# KiCad board Z3660_v021a.kicad_pcb (continued)
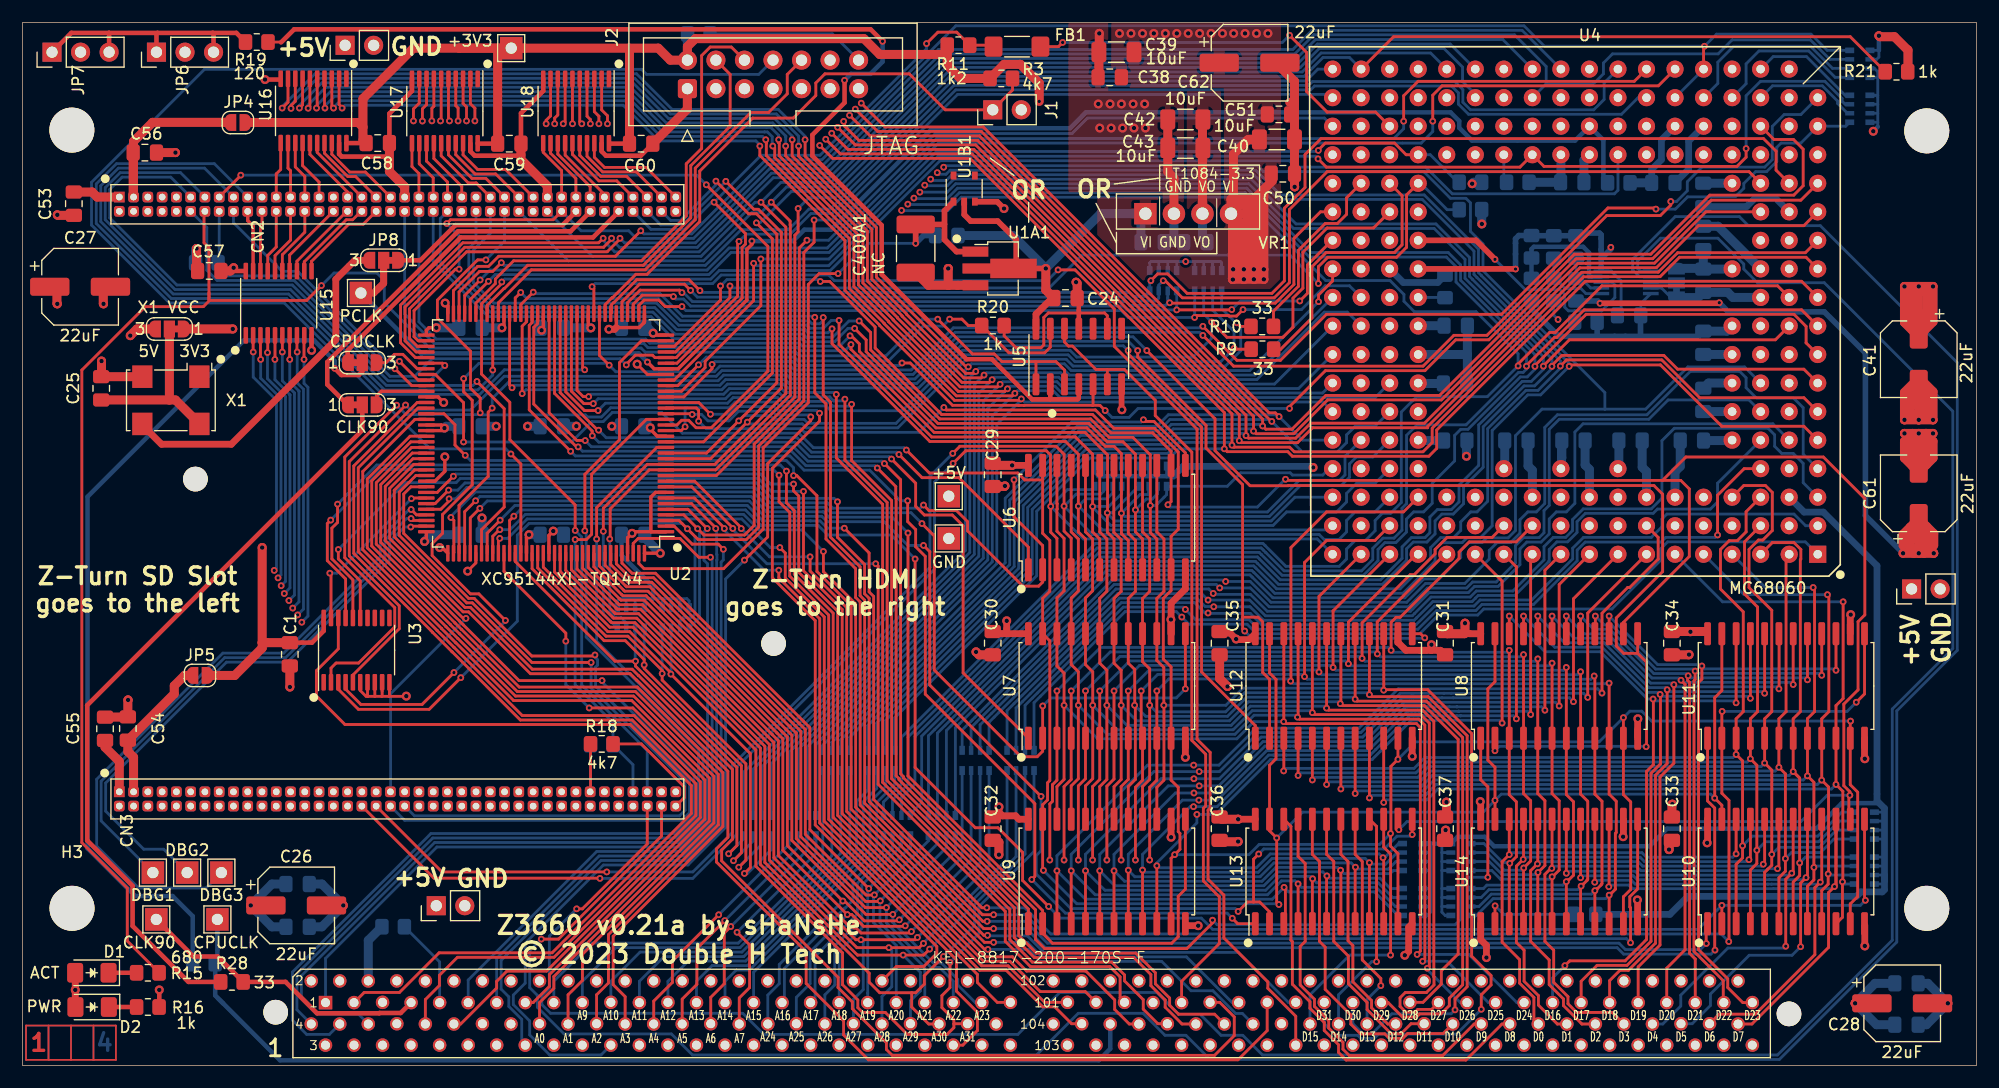
[diagram p0: board, top side]
## Routing (per net, layer and track width the routed paths; a pad name or vN(x,y) marks a point on that pad's centre or on a via; arc(x,y) is an arc through that point) (continued)
GNDA: length 8.6
  Bottom w0.5: NT1.1 140.51,73.94 140.36,74.09 138.51,74.09 R25.1 R23.1 134.33,73.86 R24.1 133.18,73.87 132.89,73.58 NT3.1
040A0: length 41.5
  Top w0.25: U2.121 43.86,44.87 52.74,35.99 v2(54.57,35.99) 54.57,35.55 63.59,26.52 63.59,19.58 v2(62.85,18.85)
  Bottom w0.25: v2(54.57,35.99) 54.54,36.02 RN22.6 ; v2(62.85,18.85) 64.24,20.23 RN10.4
040A1: length 42.7
  Top w0.25: v2(63.28,18.23) 63.99,18.94 63.99,26.69 55.34,35.34 v2(55.34,35.65) 55.34,36.14 53.66,37.81 51.77,37.81 45.36,44.23 U2.124
  Bottom w0.25: v2(63.28,18.23) 65.04,19.98 RN10.3 ; RN22.5 v2(55.34,35.65)
040A2: length 44.8
  Top w0.25: v2(63.76,17.65) 64.39,18.28 64.39,26.85 56.94,34.31 v2(56.94,34.88) 56.94,35.16 53.89,38.21 51.93,38.21 45.86,44.29 U2.125
  Bottom w0.25: RN21.8 v2(56.94,34.88) ; RN10.2 65.84,19.73 v2(63.76,17.65)
040A3: length 46.1
  Top w0.25: U2.126 46.36,44.36 52.1,38.61 54.05,38.61 57.72,34.95 v2(57.72,34.83) 64.79,27.76 64.79,17.62 v2(64.26,17.09)
  Bottom w0.25: RN21.7 57.74,34.86 v2(57.72,34.83) ; v2(64.26,17.09) 64.53,17.09 66.64,19.21 RN10.1
040A4: length 21.8
  Top w0.25: v2(61.97,13.42) 57.85,9.29 57.85,7.39 56.19,5.73 56.19,3.7 CN1.52
  Bottom w0.25: v2(61.97,13.42) 68.24,19.68 RN9.4
040A5: length 21
  Top w0.25: CN1.56 58.72,5.91 60.03,7.22 60.03,10.42 v2(62.51,12.9)
  Bottom w0.25: RN9.3 69.04,19.42 v2(62.51,12.9)
040A6: length 20.3
  Top w0.25: v2(63.04,12.37) 62.47,11.79 62.47,7.28 61.26,6.07 CN1.60
  Bottom w0.25: v2(63.04,12.37) 69.84,19.16 RN9.2
040A7: length 20.5
  Top w0.25: CN1.64 63.8,6.02 64.72,6.93 64.72,10.74 v2(63.6,11.86)
  Bottom w0.25: RN9.1 70.64,18.9 v2(63.6,11.86)
040A8: length 38.2
  Bottom w0.25: RN8.4 71.24,18.43 63.71,10.9 50.69,10.9 47.3,7.5 47.3,5.61 CN1.33
040A9: length 36.3
  Bottom w0.25: RN8.3 72.04,18.66 63.87,10.5 52.83,10.5 49.83,7.5 CN1.37
040A10: length 34.4
  Bottom w0.25: RN8.2 72.84,18.9 64.04,10.1 54.97,10.1 52.37,7.5 CN1.41
040A11: length 32.6
  Bottom w0.25: RN8.1 73.64,19.13 64.2,9.7 57.11,9.7 54.91,7.5 CN1.45
040A12: length 31
  Bottom w0.25: CN1.49 57.45,7.5 59.25,9.3 64.37,9.3 74.24,19.16 74.24,23.51 75.24,24.51 RN7.4
040A13: length 29.1
  Bottom w0.25: CN1.53 59.99,7.5 61.39,8.9 64.53,8.9 74.84,19.2 74.84,23.47 76.04,24.67 RN7.3
040A14: length 27.3
  Bottom w0.25: RN7.2 76.84,24.86 75.44,23.46 75.44,19.23 64.7,8.5 63.53,8.5 62.53,7.5 CN1.57
040A15: length 25.9
  Bottom w0.25: RN7.1 77.64,25.02 76.04,23.42 76.04,19.27 65.08,8.31 65.08,5.6
040A16: length 18.6
  Bottom w0.25: CN1.65 67.82,5.81 67.82,8.64 73.18,14.01 73.21,14.01 73.91,14.71 73.91,16.4 76.64,19.12 RN6.4
040A17: length 17.9
  Bottom w0.25: RN6.3 77.44,19.35 74.31,16.23 74.31,13.48 70.55,9.71 70.55,6 CN1.69
040A18: length 17.2
  Bottom w0.25: RN6.2 78.24,19.59 74.71,16.07 74.71,12.2 72.7,10.19 72.7,5.61 CN1.73
040A19: length 56.6
  Top w0.25: U2.140 53.36,44.72 54.26,43.82 56.34,43.81 70.08,30.07 70.08,21 v2(75.33,15.75)
  Bottom w0.25: RN6.1 79.04,19.47 75.33,15.76 v2(75.33,15.75) 75.24,15.66 75.24,6.45 75.23,6.45 CN1.77
040A20: length 59.3
  Top w0.25: v2(75.82,15.19) 75.81,15.17 75.09,15.17 69.68,20.58 69.68,29.91 69.15,30.43 56.17,43.41 54.1,43.42 54,43.52 52.86,44.65 U2.139
  Bottom w0.25: CN1.81 77.78,5.61 77.78,10.69 75.74,12.73 75.74,15.11 v2(75.82,15.19) 80.64,20 RN5.4
040A21: length 61.6
  Top w0.25: U2.138 52.36,44.59 53.93,43.02 56.01,43.01 69.28,29.74 69.28,20.37 75.05,14.61 76.3,14.61 v2(76.35,14.66)
  Bottom w0.25: CN1.85 80.32,5.61 80.32,8.72 76.32,12.71 76.32,14.62 v2(76.35,14.66) 81.44,19.74 RN5.3
040A22: length 64.2
  Top w0.25: U2.137 51.86,44.52 53.77,42.62 55.84,42.61 68.88,29.58 68.88,20.21 75.03,14.06 v2(76.89,14.06)
  Bottom w0.25: RN5.2 82.24,19.4 v2(76.89,14.06) 76.89,12.7 80.87,8.73 81.62,8.73 82.85,7.5 82.85,5.61 CN1.89
040A23: length 66.8
  Top w0.25: v2(77.47,13.45) 75.07,13.45 68.48,20.04 68.48,29.41 67.95,29.94 55.67,42.21 53.6,42.22 53.5,42.32 51.36,44.46 U2.136
  Bottom w0.25: CN1.93 84.81,5.6 83.25,7.17 83.25,7.67 81.78,9.13 81.06,9.13 77.47,12.73 v2(77.47,13.45) 83.04,19.02 RN5.1
040A24: length 76.5
  Top w0.25: U2.135 50.86,44.39 53.43,41.82 55.51,41.81 68.08,29.25 68.08,19.58 v2(73.02,14.64) 73.17,14.64 74.94,12.88 77.95,12.88 v2(78.05,12.97)
  Bottom w0.25: CN1.68 66.34,6.27 67.36,7.29 67.36,8.99 v2(73.02,14.64) ; v2(78.05,12.97) 83.64,18.56 RN4.4
040A25: length 76.4
  Top w0.25: v2(78.57,12.43) 78.53,12.39 74.86,12.39 73.82,13.43 v2(73.42,13.43) 73.41,13.43 67.68,19.17 67.68,29.08 67.15,29.61 55.34,41.41 53.27,41.42 53.17,41.52 50.36,44.32 U2.134
  Bottom w0.25: CN1.72 68.88,6.07 70.1,7.29 70.1,10.11 v2(73.42,13.43) ; v2(78.57,12.43) 84.44,18.3 RN4.3
040A26: length 76.7
  Top w0.25: v2(79.13,11.93) 78.99,11.79 74.64,11.79 v2(74.04,12.39) 73.58,12.39 67.28,18.7 67.28,28.91 66.75,29.44 55.18,41.01 53.1,41.01 53,41.12 49.86,44.26 U2.133
  Bottom w0.25: RN4.2 85.24,18.04 v2(79.13,11.93) ; CN1.76 71.42,6.29 72.3,7.17 72.3,10.65 v2(74.04,12.39)
040A27: length 76.9
  Top w0.25: v2(79.66,11.4) 79.46,11.2 v2(74.63,11.2) 74.17,11.2 66.88,18.49 66.88,28.75 66.35,29.28 55.01,40.61 52.94,40.61 52.84,40.72 49.36,44.19 U2.132
  Bottom w0.25: RN4.1 86.04,17.78 v2(79.66,11.4) ; CN1.80 73.96,5.89 74.84,6.76 74.84,10.99 v2(74.63,11.2)
040A28: length 78.7
  Top w0.25: U2.131 48.86,44.13 52.77,40.21 54.85,40.21 66.48,28.58 66.48,18.28 74.27,10.49 v2(77.11,10.49) 79.81,10.49 v2(80.19,10.87)
  Bottom w0.25: v2(80.19,10.87) 80.19,10.91 87.64,18.36 RN3.4 ; v2(77.11,10.49) 77.38,10.23 77.38,7.02 76.5,6.14 CN1.84
040A29: length 80.6
  Top w0.25: U2.130 48.36,44.06 52.61,39.81 54.68,39.81 66.08,28.42 66.08,18.07 74.32,9.83 v2(78.38,9.83) 80.21,9.83 v2(80.75,10.36)
  Bottom w0.25: RN3.3 88.44,18.59 84.34,14.49 84.34,13.95 v2(80.75,10.36) ; CN1.88 79.04,5.77 79.92,6.64 79.92,8.3 v2(78.38,9.83)
040A30: length 83.5
  Top w0.25: 79.15,6.48 79.15,5.21 80.66,3.7 CN1.92 ; 79.15,6.48 76.3,6.48 75.36,7.42 75.36,8.22 65.68,17.9 65.68,28.25 54.51,39.41 52.44,39.41 52.34,39.52 52.33,39.52 47.86,43.99 U2.129 ; 79.15,6.48 79.51,6.48 80.26,7.24 80.26,7.99 v2(81.98,9.71)
  Bottom w0.25: v2(81.98,9.71) 84.74,12.47 84.74,14.32 89.24,18.82 RN3.2
040A31: length 90.6
  Top w0.25: U2.128 47.36,43.92 52.27,39.01 54.35,39.01 65.28,28.09 65.28,17.74 72.99,10.02 72.99,7.2 74.36,5.83 74.36,5.15 74.78,4.73 76.8,4.73 78.76,2.77 82.3,2.77 82.9,3.37 82.9,3.71 ; 82.9,3.71 82.9,4.09 81.84,5.16 81.84,6.22 82.55,6.94 v2(82.55,9.17) ; 82.9,3.71 82.91,3.72 CN1.96
  Bottom w0.25: RN3.1 90.04,19.06 85.14,14.16 85.14,11.76 v2(82.55,9.17)
060A0: length 165.4
  Top w0.25: v2(84.19,62.18) 83.99,62.18 76,70.17 76,74.59 69.66,80.94 v2(69.66,82.4) ; v2(115.36,67.99) 115.36,68.58 116.61,69.83 U4.102 ; U16.9 23.63,85.74 v2(23.11,85.22)
  Bottom w0.25: v2(23.11,85.22) 23.11,85.34 26.04,88.27 54.66,88.27 57.83,85.09 67.27,85.09 69.66,82.71 v2(69.66,82.4) ; v2(115.36,67.99) 109.23,61.86 93.34,61.86 92.74,62.46 84.46,62.46 v2(84.19,62.18) 83.92,61.92 83.92,45.83 64.24,26.15 RN10.5
060A1: length 162.4
  Top w0.25: v2(84.85,61.78) 84.68,61.61 83.95,61.61 78.7,66.86 78.7,66.89 75.6,69.99 75.6,74.43 69.08,80.95 v2(69.08,81.84) ; v2(23.9,85.19) 23.9,85.44 24.28,85.82 U16.8
  Bottom w0.25: RN10.6 65.04,26.38 84.32,45.67 84.32,61.25 v2(84.85,61.78) 85.13,62.06 92.57,62.06 93.18,61.46 109.7,61.46 U4.96 ; v2(23.9,85.19) 23.9,85.52 26.25,87.87 54.49,87.87 57.67,84.69 67.1,84.69 69.08,82.72 69.08,82.16 69.11,82.14 69.11,81.86 v2(69.08,81.84)
060A2: length 163.7
  Top w0.25: v2(85.59,61.45) 85.34,61.2 83.78,61.2 78.3,66.69 78.3,66.73 75.2,69.82 75.2,74.26 68.51,80.96 v2(68.51,82.4) ; v2(24.65,85.22) 24.93,85.5 U16.7
  Bottom w0.25: v2(68.51,82.4) 68.51,82.73 66.94,84.29 57.5,84.29 54.33,87.47 26.66,87.47 24.65,85.46 v2(24.65,85.22) ; U4.89 117.92,67.06 115.87,67.06 109.87,61.06 93.01,61.06 92.41,61.66 85.79,61.66 v2(85.59,61.45) 84.72,60.59 84.72,45.5 65.84,26.62 RN10.7
060A3: length 158.9
  Top w0.25: v2(25.42,85.2) 25.58,85.36 U16.6 ; v2(67.93,81.84) 67.93,80.97 69.73,79.17 74.8,74.09 74.8,69.65 77.9,66.56 77.9,66.53 83.62,60.8 86.07,60.8 v2(86.3,61.04)
  Bottom w0.25: U4.90 111.44,60.66 92.85,60.66 92.24,61.26 86.52,61.26 v2(86.3,61.04) 85.12,59.86 85.12,45.34 66.64,26.85 RN10.8 ; v2(25.42,85.2) 25.42,85.5 27,87.07 54.13,87.07 57.3,83.89 66.77,83.89 67.94,82.72 67.94,82.65 67.93,82.64 v2(67.93,81.84)
060A4: length 156.2
  Top w0.25: v2(67.31,82.4) 67.31,82.12 67.36,82.07 67.36,80.97 69.55,78.78 69.66,78.67 74.4,73.93 74.4,69.49 77.5,66.4 77.5,66.36 83.45,60.4 86.79,60.4 v2(87.02,60.63) ; v2(26.17,85.22) 26.23,85.28 U16.5
  Bottom w0.25: RN9.5 68.24,27.88 85.52,45.17 85.52,59.14 v2(87.02,60.63) 87.24,60.86 92.08,60.86 92.68,60.26 113.58,60.26 U4.84 ; v2(67.31,82.4) 67.31,82.79 66.61,83.49 66.22,83.49 66.22,83.49 57.14,83.49 53.96,86.67 27.4,86.67 26.17,85.44 v2(26.17,85.22)
060A5: length 153.8
  Top w0.25: v2(87.67,60.23) 87.45,60 83.29,60 77.1,66.2 77.1,66.23 74,69.32 74,73.76 69.26,78.5 66.96,80.81 66.96,81.66 v2(66.78,81.84) ; 26.88,87.83 26.88,85.26 v2(26.92,85.22)
  Bottom w0.25: v2(66.78,81.84) 66.74,81.88 66.74,82.66 66.3,83.09 66.06,83.09 66.05,83.1 56.97,83.1 53.8,86.27 27.78,86.27 26.92,85.42 v2(26.92,85.22) ; U4.78 115.72,59.86 92.52,59.86 91.91,60.46 87.9,60.46 v2(87.67,60.23) 85.92,58.48 85.92,45 69.04,28.12 RN9.6
060A6: length 157.5
  Top w0.25: U16.3 27.53,85.37 v2(27.69,85.22) ; v2(88.33,59.83) 88.1,59.6 83.12,59.6 76.7,66.03 76.7,66.07 73.6,69.16 73.6,73.6 69.33,77.87 66.21,80.99 66.21,82.07 66.22,82.09 66.22,82.34 v2(66.16,82.4)
  Bottom w0.25: RN9.7 69.84,28.35 86.32,44.84 86.32,57.82 v2(88.33,59.83) 88.56,60.06 91.75,60.06 92.35,59.46 120.4,59.46 U4.76 ; v2(66.16,82.4) 65.87,82.7 56.81,82.7 53.63,85.87 28.29,85.87 27.69,85.27 v2(27.69,85.22)
060A7: length 150.2
  Top w0.25: v2(65.63,81.84) 65.63,81 68.46,78.17 73.2,73.43 73.2,68.99 76.3,65.9 76.3,65.87 82.96,59.2 88.78,59.2 v2(88.91,59.33) ; v2(28.45,85.22) 28.45,85.27 28.18,85.53 U16.2
  Bottom w0.25: U4.72 115.76,59.06 89.18,59.06 v2(88.91,59.33) 88.91,59.25 86.72,57.07 86.72,44.67 70.64,28.59 RN9.8 ; v2(65.63,81.84) 65.63,81.94 65.28,82.3 56.64,82.3 53.47,85.47 28.7,85.47 v2(28.45,85.22)
060A8: length 156.8
  Top w0.25: U17.9 35.32,85.66 34.8,85.14 v2(34.8,84.07) ; v2(74.66,85.66) 76.77,83.54 85.51,83.54 110.96,58.09 111.51,58.09 v2(111.85,57.76)
  In2.Cu w0.25: v2(34.8,84.07) 37.98,87.25 53.59,87.25 55.06,85.78 74.54,85.78 v2(74.66,85.66)
  Bottom w0.25: RN8.5 71.24,28.51 87.47,44.75 87.47,50.49 93.86,56.88 100.95,56.88 101.99,57.92 111.68,57.92 v2(111.85,57.76) 113.94,55.66 U4.66
060A9: length 161.6
  Top w0.25: v2(74.13,85.13) 76.11,83.14 85.34,83.14 111.15,57.33 v2(111.2,57.33) ; v2(35.6,84.06) 35.6,85.15 35.97,85.52 U17.8
  In2.Cu w0.25: v2(74.13,85.13) 73.88,85.38 54.9,85.38 53.42,86.85 38.39,86.85 v2(35.6,84.06)
  Bottom w0.25: U4.70 120.38,56.9 118.62,56.9 117.86,56.13 117.86,55.44 117.04,54.63 113.9,54.63 v2(111.2,57.33) 111.03,57.5 102.13,57.5 101.11,56.48 94.02,56.48 87.87,50.33 87.87,44.58 72.04,28.75 RN8.6
060A10: length 203.5
  Top w0.25: U4.115 158.29,77.02 150.31,77.02 145.1,71.81 139.18,71.81 139.01,71.81 139,71.8 138.29,71.8 126.13,59.64 116,59.64 113,56.64 110.67,56.64 v2(110.38,56.92) 110.38,57.53 85.18,82.74 75.45,82.74 v2(73.62,84.57) ; U17.7 36.62,85.38 36.44,85.2 v2(36.44,84.08)
  In2.Cu w0.25: v2(73.62,84.57) 73.22,84.98 54.73,84.98 53.26,86.45 39.21,86.45 39.21,86.45 38.77,86.45 36.44,84.12 v2(36.44,84.08)
  Bottom w0.25: RN8.7 72.84,28.98 88.27,44.42 88.27,50.16 94.19,56.08 101.28,56.08 102.26,57.06 110.24,57.06 v2(110.38,56.92)
060A11: length 195.9
  Top w0.25: 73.04,83.97 73.18,83.83 73.18,83.62 ; v2(37.21,84.07) 37.27,84.13 37.27,87.81 ; U4.111 149.84,75.98 145.26,71.41 139.18,71.41 139.16,71.4 138.45,71.4 126.29,59.24 116.17,59.24 113.16,56.24 109.8,56.24 v2(109.57,56.47) 109.57,57.78 85.01,82.34 74.45,82.34 73.18,83.62 ; 73.18,83.62 73.18,83.95 v2(73.09,84.04)
  In2.Cu w0.25: v2(73.09,84.04) 72.55,84.58 54.57,84.58 53.09,86.05 39.37,86.05 39.37,86.05 39.17,86.05 37.21,84.09 v2(37.21,84.07)
  Bottom w0.25: v2(109.57,56.47) 109.37,56.66 102.43,56.66 101.44,55.68 94.35,55.68 88.67,50 88.67,44.25 73.64,29.22 RN8.8
060A12: length 198.1
  Top w0.25: v2(38,84.07) 37.92,84.16 U17.5 ; U4.109 158.56,74.75 149.17,74.75 145.43,71.01 139.34,71.01 139.33,71 138.62,71 124.79,57.17 114.66,57.17 113.33,55.84 109.13,55.84 v2(108.9,56.06) 108.9,57.88 84.84,81.94 74.12,81.94 v2(72.56,83.51)
  In2.Cu w0.25: v2(72.56,83.51) 71.89,84.18 54.4,84.18 52.93,85.65 39.54,85.65 38,84.12 v2(38,84.07)
  Bottom w0.25: v2(108.9,56.06) 108.7,56.26 102.6,56.26 101.61,55.28 94.52,55.28 89.07,49.83 89.07,44.09 75.24,30.25 RN7.5
060A13: length 195.4
  Top w0.25: v2(38.77,84.07) 38.77,85.22 38.57,85.43 38.57,87.81 ; U4.103 158.69,72.34 147.32,72.34 145.6,70.61 139.51,70.61 139.5,70.6 138.79,70.6 125.08,56.89 125.08,56.77 114.83,56.77 113.5,55.44 108.48,55.44 v2(108.3,55.61) 108.3,57.91 84.68,81.54 73.46,81.54 v2(72.03,82.98)
  In2.Cu w0.25: v2(72.03,82.98) 71.23,83.78 54.24,83.78 52.76,85.25 39.72,85.25 38.77,84.31 v2(38.77,84.07)
  Bottom w0.25: v2(108.3,55.61) 108.05,55.86 102.76,55.86 101.77,54.88 94.68,54.88 89.47,49.66 89.47,43.92 76.04,30.49 RN7.6
060A14: length 194.3
  Top w0.25: U17.3 39.22,85.62 39.52,85.32 v2(39.52,84.07) ; v2(71.5,82.45) 72.8,81.14 84.51,81.14 107.66,58 v2(107.66,55.21) 107.83,55.04 112.79,55.04 113.2,54.63 124.66,54.63 125.48,55.44 125.48,56.73 138.95,70.2 139.68,70.2 139.69,70.21 145.76,70.21 147.49,71.94 158.75,71.94 U4.97
  In2.Cu w0.25: v2(39.52,84.07) 39.52,84.35 40.02,84.85 52.59,84.85 54.07,83.38 70.57,83.38 v2(71.5,82.45)
  Bottom w0.25: RN7.7 76.84,30.72 89.87,43.76 89.87,49.5 94.85,54.48 101.94,54.48 102.93,55.46 107.4,55.46 v2(107.66,55.21)
060A15: length 191.6
  Top w0.25: U4.91 158.35,69.8 139.12,69.8 125.88,56.56 125.88,54.93 125.18,54.23 113.03,54.23 112.62,54.64 107.23,54.64 v2(106.97,54.89) 106.97,58.11 84.35,80.74 72.11,80.74 v2(70.96,81.89) ; v2(40.27,84.07) 40.27,85.2 39.87,85.61 U17.2
  In2.Cu w0.25: v2(70.96,81.89) 70.96,82.03 70.01,82.98 53.9,82.98 52.43,84.45 40.65,84.45 v2(40.27,84.07)
  Bottom w0.25: RN7.8 77.64,30.96 90.27,43.59 90.27,49.33 95.02,54.08 102.11,54.08 102.92,54.89 v2(106.97,54.89)
060A16: length 212.9
  Top w0.25: U4.92 156.21,69.4 140.58,69.4 136.44,65.25 135.93,65.25 133.12,62.44 v2(133.12,62.27) ; U18.9 47,84.52 46.61,84.13 v2(46.61,83.82)
  In2.Cu w0.25: v2(46.61,83.82) 46.61,83.69 50.67,79.64 63.04,79.64 64.21,78.46 75.9,78.46 v2(78.25,76.11)
  Bottom w0.25: RN6.5 76.64,23.46 78.24,25.06 78.24,29.21 95.49,46.47 110.41,46.47 112.45,44.43 117.2,44.43 117.86,45.09 117.86,45.97 118.62,46.74 119.53,46.74 120.4,47.6 120.4,48.51 121.03,49.15 121.77,49.15 122.73,50.11 122.73,58.17 124.09,59.53 130.39,59.53 v2(133.12,62.27) 133.12,63.35 129.37,67.1 123.89,67.1 122.96,68.02 122.96,68.63 121.72,69.87 116,69.87 108.58,77.29 83.56,77.29 82.36,76.09 78.27,76.09 v2(78.25,76.11)
060A17: length 214.1
  Top w0.25: 47.65,87.81 47.65,84.61 47.37,84.33 v2(47.37,83.82) ; v2(133.87,62.24) 133.87,62.32 136.35,64.8 136.55,64.8 139.01,67.26 158.35,67.26 U4.85
  In2.Cu w0.25: v2(47.37,83.82) 47.37,83.69 51.03,80.04 63.2,80.04 64.38,78.86 76.61,78.86 78.8,76.67 v2(78.8,76.66)
  Bottom w0.25: RN6.6 77.44,23.66 78.84,25.06 78.84,29.25 95.66,46.07 110.25,46.07 112.29,44.03 119.19,44.03 120.19,45.03 120.19,46.03 121.1,46.94 122.08,46.94 122.78,47.65 122.78,49.6 123.19,50.01 123.19,56.09 124.13,57.03 128.49,57.03 133.16,61.69 133.57,61.69 133.87,61.99 v2(133.87,62.24) 133.87,63.46 127.6,69.74 127.6,71.1 126.74,71.96 114.54,71.96 108.82,77.69 83.39,77.69 82.34,76.63 78.84,76.63 v2(78.8,76.66)
060A18: length 213
  Top w0.25: U4.79 158.75,64.32 158.75,65.79 157.68,66.86 139.17,66.86 134.62,62.31 v2(134.62,62.23) ; v2(48.13,83.82) 48.3,83.99 U18.7
  In2.Cu w0.25: v2(48.13,83.82) 51.5,80.45 63.1,80.45 63.11,80.44 63.37,80.44 64.54,79.26 77.29,79.26 v2(79.34,77.21)
  Bottom w0.25: v2(79.34,77.21) 79.39,77.16 82.3,77.16 83.23,78.09 108.98,78.09 114.71,72.36 126.91,72.36 128,71.27 128,69.9 134.62,63.28 v2(134.62,62.23) 134.62,61.98 133.93,61.29 133.32,61.29 128.66,56.63 128.01,56.63 127.47,56.09 127.47,53.81 125.48,51.82 125.48,50.04 124.71,49.28 123.83,49.28 123.18,48.63 123.18,47.48 122.24,46.54 121.26,46.54 120.65,45.93 120.65,44.93 119.35,43.63 112.12,43.63 110.08,45.67 95.82,45.67 79.44,29.28 79.44,25.06 78.24,23.86 RN6.7
060A19: length 207.5
  Top w0.25: v2(48.96,83.82) 48.95,83.83 U18.6 ; U4.86 156.02,64.59 137.68,64.59 135.37,62.28 v2(135.37,62.24)
  In2.Cu w0.25: v2(79.87,77.74) 77.95,79.66 64.71,79.66 63.53,80.84 63.28,80.84 63.27,80.85 51.93,80.85 v2(48.96,83.82)
  Bottom w0.25: RN6.8 79.04,22.41 80.04,23.41 80.04,29.32 95.99,45.27 109.92,45.27 111.96,43.23 120.88,43.23 122.79,45.14 122.79,46.16 123.63,46.99 124.84,46.99 125.27,47.42 125.27,48.81 125.94,49.48 127.18,49.48 127.86,50.17 127.86,51.66 129.61,53.42 129.61,57.02 133.49,60.89 134.3,60.89 135.37,61.97 v2(135.37,62.24) 135.37,63.09 128.4,70.07 128.4,71.75 125.65,74.5 113.13,74.5 109.15,78.49 83.06,78.49 82.31,77.74 v2(79.87,77.74)
060A20: length 208.7
  Top w0.25: U4.73 158.56,61.98 147.32,61.98 146.09,63.2 137.02,63.2 136.13,62.32 v2(136.13,62.23) ; 49.6,87.81 49.6,84 v2(49.78,83.82)
  In2.Cu w0.25: v2(80.31,78.36) 78.61,80.06 64.87,80.06 63.67,81.26 52.22,81.26 49.78,83.69 v2(49.78,83.82)
  Bottom w0.25: RN5.5 80.64,29.35 96.16,44.87 109.75,44.87 111.79,42.83 121.05,42.83 123.19,44.98 123.19,45.99 123.79,46.59 125.01,46.59 125.73,47.31 125.73,48.47 126.34,49.08 127.35,49.08 128.26,50 128.26,51.5 130.01,53.25 130.01,56.85 133.65,60.49 134.59,60.49 136.13,62.03 v2(136.13,62.23) 136.13,62.9 129.05,69.98 129.05,69.99 128.8,70.24 128.8,71.92 125.81,74.9 113.36,74.9 109.38,78.89 82.9,78.89 82.32,78.31 80.36,78.31 v2(80.31,78.36)
060A21: length 209.3
  Top w0.25: v2(50.55,83.82) 50.55,84.2 50.25,84.5 U18.4 ; v2(136.88,62.26) 137.43,62.8 145.91,62.8 149.28,59.44 158.56,59.44 U4.67
  In2.Cu w0.25: v2(80.84,78.89) 79.27,80.46 65.04,80.46 63.84,81.66 52.65,81.66 50.55,83.76 v2(50.55,83.82)
  Bottom w0.25: v2(80.84,78.89) 80.96,78.77 82.21,78.77 82.73,79.29 109.6,79.29 111.79,77.09 124.59,77.09 129.2,72.48 129.2,70.41 129.45,70.15 129.45,70.14 136.88,62.71 v2(136.88,62.26) 136.88,62.08 134.89,60.09 133.82,60.09 130.41,56.69 130.41,50.22 129.47,49.28 128.91,49.28 128.02,48.39 128.02,47.62 127.38,46.99 126.23,46.99 125.33,46.1 125.33,45.14 122.62,42.43 111.63,42.43 109.59,44.47 96.32,44.47 81.44,29.58 RN5.6
060A22: length 210
  Top w0.25: U18.3 50.9,84.9 51.31,84.49 v2(51.31,83.82) ; v2(137.67,62.23) 137.8,62.36 145.8,62.36 151.26,56.9 158.56,56.9 U4.61
  In2.Cu w0.25: 51.31,83.67 v2(51.31,83.82) 51.31,83.69 52.93,82.07 63.99,82.07 65.21,80.86 80.03,80.86 v2(81.42,79.47)
  Bottom w0.25: RN5.7 82.24,29.82 96.49,44.07 109.42,44.07 111.46,42.03 122.88,42.03 125.73,44.89 125.73,45.93 126.34,46.54 128.14,46.54 128.57,46.96 129.75,46.96 130.81,48.03 130.81,56.52 133.99,59.69 135.13,59.69 v2(137.67,62.23) 137.67,62.49 129.85,70.31 129.85,70.32 129.6,70.57 129.6,72.66 124.77,77.49 111.96,77.49 109.76,79.69 82.57,79.69 82.2,79.32 81.57,79.32 v2(81.42,79.47)
060A23: length 207.7
  Top w0.25: v2(52.07,83.82) 52.07,84.53 51.55,85.05 U18.2
  In2.Cu w0.25: v2(52.07,83.82) 53.42,82.47 64.16,82.47 65.37,81.26 80.69,81.26 v2(81.99,79.95)
  Bottom w0.25: v2(81.99,79.95) 82.12,80.09 109.93,80.09 110.45,79.56 124.72,79.56 127.1,77.19 128.48,77.19 128.88,76.78 128.88,74.24 130,73.13 130,70.74 140.84,59.89 140.84,58.42 140.84,58.42 ; RN5.8 83.04,30.05 96.65,43.67 109.26,43.67 111.29,41.63 123.04,41.63 124.72,43.31 126.09,43.31 128.02,45.23 128.02,45.85 128.73,46.56 129.91,46.56 130.31,46.96 132.24,46.96 132.89,47.61 132.89,56.06 135.25,58.42 140.84,58.42 ; 140.84,58.42 144.48,58.42 148.23,62.18 153.27,62.18 U4.75
060A24: length 211.4
  Top w0.25: U15.2 20.53,63.52 v2(20.54,63.51)
  In2.Cu w0.25: v2(22.41,44.07) 23.38,44.07 24.2,43.25 106.93,43.25 v2(107.09,43.08)
  Bottom w0.25: v2(20.54,63.51) 20.54,61.27 22.61,59.21 22.61,44.27 v2(22.41,44.07) ; RN4.5 83.64,29.85 97,43.21 106.96,43.21 v2(107.09,43.08) 109.27,43.08 111.13,41.23 123.21,41.23 124.88,42.91 128.38,42.91 130.56,45.09 130.56,45.85 131.27,46.56 132.47,46.56 133.29,47.38 133.29,48.58 133.99,49.28 134.75,49.28 135.49,50.02 135.49,56.8 136.62,57.92 144.59,57.92 148.45,61.78 152.85,61.78 153.42,61.21 153.42,60.33 154.32,59.42 157.62,59.42 158.5,58.55 158.5,54.42 U4.55
060A25: length 199.1
  Top w0.25: v2(21.2,62.85) 21.18,62.87 U15.3
  In2.Cu w0.25: v2(106.56,42.51) 106.22,42.85 24.03,42.85 23.48,43.4 v2(22.75,43.4)
  Bottom w0.25: U4.69 153.67,59.24 146.48,59.24 144.75,57.52 136.78,57.52 135.89,56.63 135.89,49.86 135.43,49.39 135.43,47.42 135,46.99 133.6,46.99 132.89,46.27 132.89,44.75 131.17,43.04 129.07,43.04 128.53,42.49 125.04,42.49 123.37,40.83 110.96,40.83 109.28,42.51 v2(106.56,42.51) 106.26,42.81 97.16,42.81 84.44,30.09 RN4.6 ; v2(22.75,43.4) 23.01,43.66 23.01,59.32 23.01,59.32 23.01,59.37 21.2,61.18 v2(21.2,62.85)
060A26: length 199.3
  Top w0.25: U15.4 21.83,63.48 v2(21.81,63.46)
  In2.Cu w0.25: v2(105.99,42.02) 105.56,42.45 23.87,42.45 23.61,42.7 v2(23.02,42.7)
  Bottom w0.25: U4.62 155.8,57.12 138.91,57.12 138.18,56.39 138.18,50.04 137.41,49.28 136.52,49.28 135.89,48.65 135.89,47.32 135.17,46.59 133.9,46.59 133.29,45.98 133.29,44.58 131.34,42.64 129.24,42.64 128.7,42.09 125.2,42.09 123.54,40.43 110.8,40.43 109.29,41.93 106.07,41.93 v2(105.99,42.02) 105.6,42.41 97.32,42.41 85.24,30.32 RN4.7 ; v2(21.81,63.46) 21.81,61.14 23.41,59.54 23.41,59.51 23.41,59.51 23.41,43.09 v2(23.02,42.7)
060A27: length 203.4
  Top w0.25: U15.5 22.48,62.86 v2(22.47,62.85)
  In2.Cu w0.25: v2(23.3,42.01) 23.34,41.97 25.12,41.97 25.19,42.05 104.91,42.05 v2(105.53,41.43)
  Bottom w0.25: U4.37 158.5,51.88 158.5,53.6 157.61,54.48 156.59,54.48 155.96,55.12 155.96,56.13 155.37,56.72 147.02,56.72 145.92,55.62 145.92,50.49 144.98,49.55 138.92,49.55 137.97,48.59 137.97,47.61 137.36,47.01 136.25,47.01 135.43,46.18 135.43,45 132.66,42.24 129.4,42.24 128.86,41.69 125.37,41.69 123.7,40.03 110.63,40.03 109.23,41.43 v2(105.53,41.43) 104.96,42 97.48,42 86.04,30.56 RN4.8 ; v2(23.3,42.01) 23.81,42.52 23.81,59.67 23.81,59.68 23.81,59.7 22.47,61.04 v2(22.47,62.85)
060A28: length 191.4
  Top w0.25: U15.6 v2(23.13,63.51)
  In2.Cu w0.25: v2(23.71,41.38) 23.9,41.57 25.28,41.57 25.36,41.65 104.48,41.65 105.27,40.85 106.01,40.85 v2(106.03,40.83)
  Bottom w0.25: U4.63 150.88,51.83 150.88,50.17 150.24,49.53 145.53,49.53 145.15,49.15 139.11,49.15 138.37,48.41 138.37,47.45 137.53,46.61 136.57,46.61 135.89,45.93 135.89,44.91 135.83,44.84 135.83,44.84 132.83,41.84 129.57,41.84 129.03,41.29 125.53,41.29 123.87,39.63 110.47,39.63 109.26,40.83 v2(106.03,40.83) 106.01,40.85 105.27,40.85 104.53,41.6 97.64,41.6 87.64,31.59 RN3.5 ; v2(23.71,41.38) 24.21,41.88 24.21,59.84 24.21,59.84 24.21,59.87 23.13,60.95 v2(23.13,63.51)
060A29: length 192.2
  Top w0.25: v2(23.79,62.85) 23.78,62.86 U15.7
  In2.Cu w0.25: v2(105.53,40.28) 105.2,40.28 104.23,41.25 25.52,41.25 25.45,41.17 24.51,41.17 v2(24.05,40.71)
  Bottom w0.25: v2(23.79,62.85) 23.79,60.85 24.61,60.04 24.61,60.01 24.61,60.01 24.61,41.27 v2(24.05,40.71) ; RN3.6 88.44,31.82 97.81,41.2 104.33,41.2 105.25,40.28 v2(105.53,40.28) 105.56,40.24 109.29,40.24 110.3,39.23 124.04,39.23 125.7,40.89 129.19,40.89 129.74,41.44 134.33,41.44 137.98,45.09 137.98,46.04 138.94,47.01 144.98,47.01 145.92,47.95 145.92,48.64 146.36,49.08 157.68,49.08 158.72,48.04 U4.19
060A30: length 187.2
  Top w0.25: v2(24.45,63.51) 24.43,63.53 U15.8 ; v2(150.88,47.22) 150.88,50.75 153.25,53.12 U4.57
  In2.Cu w0.25: v2(24.49,40.11) 25.16,40.77 25.61,40.77 25.69,40.85 103.25,40.85 v2(103.51,40.6)
  Bottom w0.25: v2(24.45,63.51) 24.45,60.76 25.01,60.2 25.01,40.62 v2(24.49,40.11) ; RN3.7 89.24,32.06 97.98,40.8 103.3,40.8 v2(103.51,40.6) 104.42,39.68 109.17,39.68 110.02,38.83 124.2,38.83 125.87,40.49 129.36,40.49 129.9,41.04 134.49,41.04 138.38,44.92 138.38,45.88 139.09,46.59 145.85,46.59 146.26,47.01 150.66,47.01 v2(150.88,47.22)
060A31: length 187.5
  Top w0.25: U15.9 25.06,64.97 25.06,62.85 v2(25.06,62.85)
  In2.Cu w0.25: v2(24.86,39.46) 25.86,40.45 102.66,40.45 v2(103.19,39.92)
  Bottom w0.25: U4.1 158.69,46.61 146.43,46.61 145.8,45.97 145.8,44.96 141.47,40.63 130.07,40.63 129.52,40.09 126.03,40.09 124.37,38.43 109.86,38.43 109.01,39.28 103.83,39.28 v2(103.19,39.92) 102.71,40.4 98.14,40.4 90.04,32.29 RN3.8 ; v2(24.86,39.46) 25.41,40 25.41,60.37 25.06,60.72 v2(25.06,62.85)
/CPU and CLK/SIZ60_0: length 16.6
  Top w0.25: U4.119 117.86,77.23 117.86,75.76 117.04,74.95 115.96,74.95 113.57,72.55 113.57,69.35 111.35,67.13 R10.1
/CPU and CLK/SIZ60_1: length 23.9
  Top w0.25: U4.118 122.79,77.42 122.79,73.04 122.11,72.36 116.03,72.36 114.77,71.1 114.77,66.54 111.99,63.75 R9.1
/ZTURN and 3.3V/BP: length 9.9
  Top w0.25: CN3.80 58.9,23.84 58.9,24.81 55.08,28.63 R18.2
_040CIOUT: length 187.3
  Top w0.25: v2(52.22,62.33) 51.36,63.2 U2.45 ; v2(39.27,61.14) 39.27,59.97 40.03,59.21 40.03,51.69 37.39,49.05 37.39,47.37 36.46,46.44 36.46,45.4 39.88,41.98 40.62,41.98 v2(42.99,39.61) ; v2(105.06,65.8) 108.1,62.76 111.96,62.76 116.06,66.86 131.65,66.86 141.12,76.33 145.29,76.33 v2(145.39,76.23) ; v2(38.4,34.98) 35.57,32.14 30.12,32.14 28.76,33.5 U3.4